# KiCad board PDNode-PDCard-4242.kicad_pcb
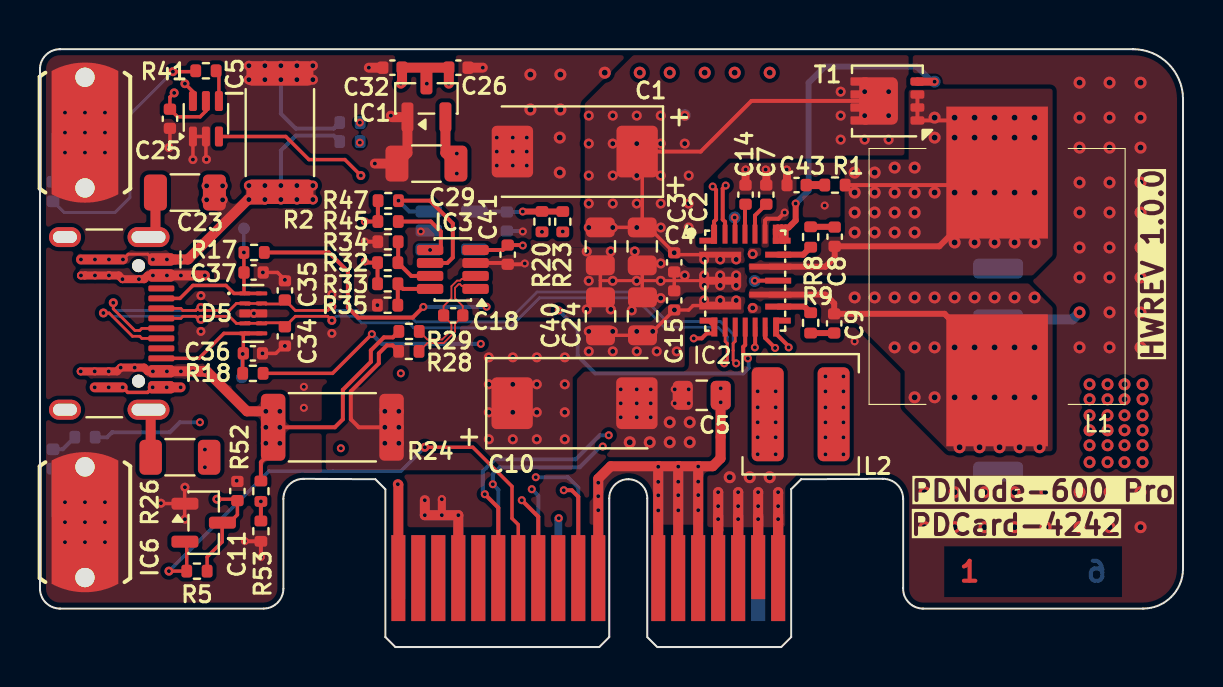
[diagram p0: board, top side]
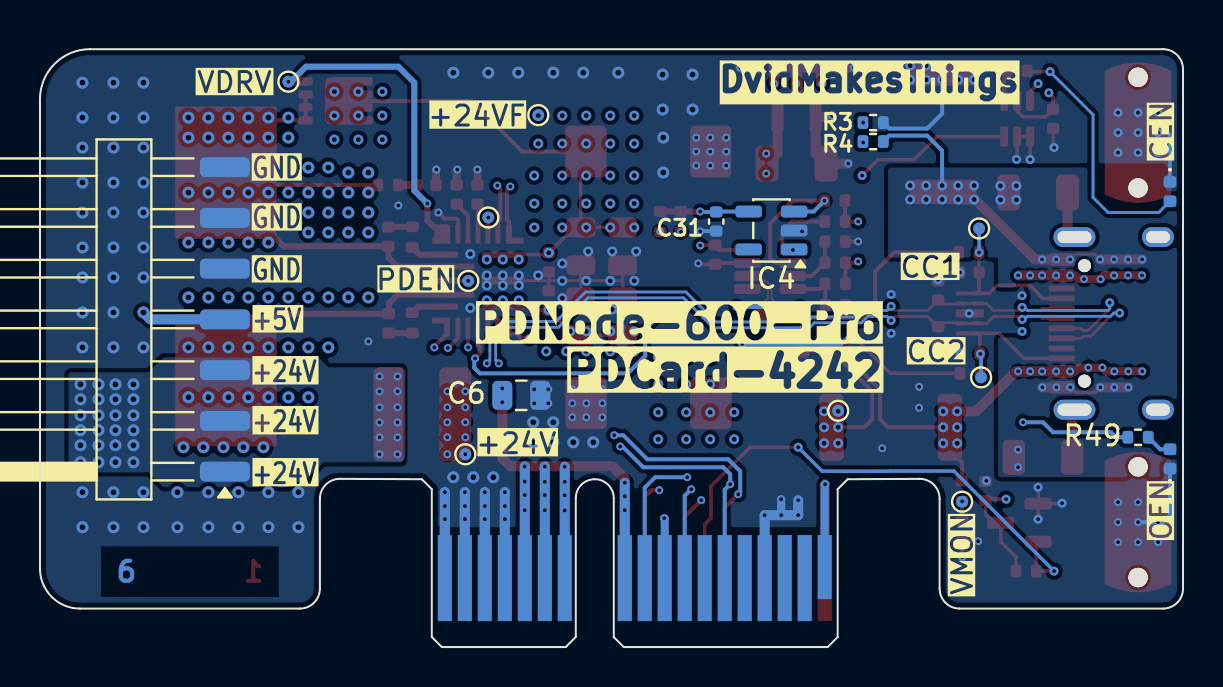
[diagram p1: board, bottom side, seen from below]

Outline 57.18 x 29.92 mm; copper layers: L1 (Sig, PWR), L2 (GND) (plane), L3 (Sig), L4(PWR) (plane), L5(GND) (plane), L6 (SIG). Coordinates in mm from the lower left corner of the outline.
Outline path: 0,28.92 arc(0.29,29.63) 1,29.92 54.68,29.92 arc(56.44,29.19) 57.18,27.42 57.18,3.92 arc(56.59,2.51) 55.18,1.92 44.18,1.92 arc(43.47,2.22) 43.18,2.92 43.18,7.42 arc(42.88,8.13) 42.17,8.42 38.07,8.4 37.57,7.9 37.57,0.5 37.07,0 30.88,0 30.38,0.5 30.38,7.45 arc(30.1,8.12) 29.43,8.4 arc(28.75,8.12) 28.48,7.45 28.48,0.5 27.98,0 17.78,0 17.28,0.5 17.28,7.9 16.78,8.4 13.18,8.42 arc(12.47,8.13) 12.18,7.42 12.18,2.92 arc(11.88,2.22) 11.18,1.92 1,1.92 arc(0.29,2.22) 0,2.92 0,28.92
Stack: L1 (Sig, PWR) 0.035mm / dielectric 0.0994mm 3313 RC57% 4.2mil er 4.1 / L2 (GND) 0.0152mm / dielectric 0.55mm 0.55mm H/Hwithout copper er 4.41 / L3 (Sig) 0.0152mm / dielectric 0.1088mm 2116 RC54% 4.9mil er 4.16 / L4(PWR) 0.0152mm / dielectric 0.55mm 0.55mm H/Hwithout copper er 4.41 / L5(GND) 0.0152mm / dielectric 0.0994mm 3313 RC57% 4.2mil er 4.1 / L6 (SIG) 0.035mm

## Placement (name value [footprint] x y rotation side)
C1  100uF 25V  [CP_EIA-7343-30_AVX-N]  26.75 24.8 180 top
C2  4.7uF 50V  [C_0805_2012Metric]  30.12 20.06 270 top
C3  4.7uF 50V  [C_0805_2012Metric]  28.03 20.06 270 top
C4  100nF 50V  [C_0402_1005Metric]  31.73 19.26 270 top
C5  4.7uF 50V  [C_0805_2012Metric]  33.1 12.6 180 top
C6  4.7uF 50V  [C_0805_2012Metric]  33.1 12.6 180 bottom
C7  2.2uF 25V  [C_0402_1005Metric]  36.33 22.64 90 top
C8  220nF 50V  [C_0402_1005Metric]  39.75 20.54 90 top
C9  220nF 50V  [C_0402_1005Metric]  39.73 16.2 270 top
C10  100uF 25V  [CP_EIA-7343-30_AVX-N]  26.74 12.2 0 top
C11  100nF 50V  [C_0402_1005Metric]  9.87 7.81 90 top
C14  470pF 50V  [C_0402_1005Metric]  35.29 22.64 90 top
C15  100nF 50V  [C_0402_1005Metric]  31.73 17.35 90 top
C18  100nF 50V  [C_0402_1005Metric]  20.67 16.6 180 top
C23  1nF 2kV  [C_1206_3216Metric]  7.25 22.75 180 top
C24  10uF 50V  [C_0805_2012Metric]  30.14 16.56 90 top
C25  100nF 50V  [C_0402_1005Metric]  6.5 26.44 270 top
C26  1uF 50V  [C_0402_1005Metric]  20.93 29 0 top
C29  10uF 50V  [C_1206_3216Metric]  19.33 24.2 180 top
C31  100nF 50V  [C_0402_1005Metric]  23.35 21.3 270 bottom
C32  100nF 50V  [C_0402_1005Metric]  17.63 29 180 top
C34  1nF 50V  [C_0402_1005Metric]  12.25 15.55 270 top
C35  1nF 50V  [C_0402_1005Metric]  12.25 17.85 90 top
C36  390pF 50V  [C_0402_1005Metric]  10.65 14.7 0 top
C37  390pF 50V  [C_0402_1005Metric]  10.69 18.75 0 top
C40  10uF 50V  [C_0805_2012Metric]  28.04 16.56 90 top
C41  100nF 50V  [C_0402_1005Metric]  23.4 19.64 270 top
C43  1nF 50V  [C_0402_1005Metric]  37.85 23.12 180 top
CC1  ~  [TestPoint_0.6mm]  10.2 20.95 180 bottom
CC2  ~  [TestPoint_0.6mm]  10.1 13.5 180 bottom
D1  Green  [LED_0402_1005Metric]  0.65 9.42 90 bottom
D2  Blue  [LED_0402_1005Metric]  0.65 22.8 270 bottom
D5  TPD4EUSB30DQAR  [USON10_2.5x1]  10.67 16.7 0 top
IC1  MCP1702T-3302E/CB  [SOT-23]  19.33 27.46 90 top
IC2  MPQ4242GVE-0001-AEC1-P  [QFN-22_4X5mm]  35.28 18.34 0 top
IC3  INA219BIDCNT  [SOT-23-8]  20.65 18.9 180 top
IC4  24AA02E-OT  [SOT-23-5]  20.59 20.85 0 bottom
IC5  SN74LVC1G97QDCKRQ1  [SOT-363_SC-70-6]  8.3 26.44 90 top
IC6  STM809TWX6F  [SOT-23#2]  8.19 6.23 0 top
J1  USB-TYPE-C-018  [USB_C_Receptacle_HCTL_HC-TYPE-C-16P-01A]  2.32 16.2 270 top
J2  PCIE EDGE CONNECTOR  [BUS_PCIexpress_x1]  17.93 3.45 0 top
J3  Conn_01x07_Pin  [Harwin_M20-89007xx_1x07_P2.54mm_Horizontal]  53.45 16.4 0 bottom
L1  4.7uH 13A  [7443551470]  47.77 17.73 270 top
L2  2.2uH 9.7A  [5.5x5.3mm_XAL5030-222MEC]  37.9 11.65 0 top
PDA1  ~  [TestPoint_0.6mm]  34.75 21.5 180 bottom
PDE1  ~  [TestPoint_0.6mm]  35.75 18.33 180 bottom
PDO1  ~  [TestPoint_0.6mm]  17.25 11.83 180 bottom
R1  1R 1%  [R_0402_1005Metric]  39.76 23.12 180 top
R2  0.010R 1%  [R_2512_6332Metric]  12 25.75 90 top
R3  1R 1%  [R_0402_1005Metric]  15.5 26.25 0 bottom
R4  1R 1%  [R_0402_1005Metric]  15.5 25.3 0 bottom
R5  10K 1%  [R_0402_1005Metric]  7.85 3.8 180 top
R8  0R 1%  [R_0402_1005Metric]  38.55 20.53 90 top
R9  0R 1%  [R_0402_1005Metric]  38.55 16.23 270 top
R17  2.2R 1%  [R_0402_1005Metric]  10.71 19.75 180 top
R18  2.2R 1%  [R_0402_1005Metric]  10.65 13.7 180 top
R20  100K 1%  [R_0402_1005Metric]  25.11 21.29 270 top
R23  100K 1%  [R_0402_1005Metric]  26.15 21.29 270 top
R24  0.005R 1% 2W  [R_2512_6332Metric]  14.62 11 180 top
R26  1M 1%  [R_1206_3216Metric]  7 9.5 180 top
R28  1R 1%  [R_0402_1005Metric]  18.45 14.8 0 top
R29  1R 1%  [R_0402_1005Metric]  18.46 15.8 0 top
R32  10K 1%  [R_0402_1005Metric]  17.4 19.24 0 top  (not fitted)
R33  10K 1%  [R_0402_1005Metric]  17.39 18.18 0 top  (not fitted)
R34  10K 1%  [R_0402_1005Metric]  17.41 20.29 180 top
R35  10K 1%  [R_0402_1005Metric]  17.39 17.11 180 top
R41  1K 1%  [R_0402_1005Metric]  8.3 28.84 180 top
R45  2.4K 1%  [R_0402_1005Metric]  17.41 21.3 0 top  (not fitted)
R47  2.4K 1%  [R_0402_1005Metric]  17.42 22.34 0 top  (not fitted)
R49  1K 1%  [R_0402_1005Metric]  2.25 10.5 0 bottom
R52  90.9K 1%  [R_0402_1005Metric]  11.05 7.8 270 top
R53  10K 1%  [R_0402_1005Metric]  11.05 5.8 270 top
REF**  -  [LayerMarker_6_8.89x2.54mm_TextH1mm_P1.27mm_BottomMirrored]  46.5 2.5 0 top
ST1  M3  [WP-SMRA_7466313]  2.25 25.75 90 top
ST2  M3  [WP-SMRA_7466313]  2.25 6.25 90 top
T1  DMN4008LFG-7  [Diodes_PowerDI3333-8]  42.39 27.33 180 top
TP1  ~  [TestPoint_0.6mm]  11.05 7.28 180 bottom
V24  ~  [TestPoint_0.6mm]  35.9 9.65 180 bottom
VDRV1  ~  [TestPoint_0.6mm]  44.75 28.3 180 bottom
VF24  ~  [TestPoint_0.6mm]  32.25 26.62 180 bottom

## Library data of the parts
C1 C10 = -: Datasheet: https://jlcpcb.com/api/file/downloadByFileSystemAccessId/8590224151765426176; Description: -55°C~+105°C 100uF 25V 40mΩ@100kHz ±20% CASE-D-7343-3 Tantalum Capacitors ROHS; LCSC_PART: C215892; ROHS: YES; MPN: T55D107M025C0060; MFR: Vishay; DIST1: https://www.digikey.at/en/products/detail/kemet/t521d107m025ate040/5844154
C2 C3 C5 C6 = -: Datasheet: https://jlcpcb.com/api/file/downloadByFileSystemAccessId/8586178946207789056; Description: 4.7uF 50V X5R ±10% 0805 Multilayer Ceramic Capacitors MLCC - SMD/SMT ROHS; FOOTPRINT_SHORT: 0805; ROHS: YES; LCSC_PART: C98192; MFR: Samsung Electro-Mechanics; MPN: CL21A475KBQNNNE
C4 C11 C15 C18 C25 C31 C32 C41 = -: Description: 50V 100nF X7R ±10% 0402 Multilayer Ceramic Capacitors MLCC - SMD/SMT ROHS; FOOTPRINT_SHORT: 0402; ROHS: YES; LCSC_PART: C307331
C7 = -: Description: 25V 2.2uF X5R ±10% 0402 Multilayer Ceramic Capacitors MLCC - SMD/SMT ROHS; FOOTPRINT_SHORT: 0402; ROHS: YES; LCSC_PART: C385032
C8 C9 = -: Description: 50V 220nF X5R ±10% 0402 Multilayer Ceramic Capacitors MLCC - SMD/SMT ROHS; FOOTPRINT_SHORT: 0402; ROHS: YES; LCSC_PART: C5159775
C14 = -: Datasheet: https://jlcpcb.com/api/file/downloadByFileSystemAccessId/8588898671136018432; Description: 470pF 50V X7R ±10% 0402 Multilayer Ceramic Capacitors MLCC - SMD/SMT ROHS; FOOTPRINT_SHORT: 0402; ROHS: YES; LCSC_PART: C106207; MFR: YAGEO; MPN: CC0402KRX7R9BB471
C23 = -: Description: Chip Capacitor (MLCC) 1206 1nF ±10% 2KV X7R; FOOTPRINT_SHORT: 1206; ROHS: YES; LCSC_PART: C173242; MFR: Johanson Dielectrics
C24 C40 = -: Description: 50V 10uF X5R ±10% 0805 Multilayer Ceramic Capacitors MLCC - SMD/SMT ROHS; FOOTPRINT_SHORT: 0805; ROHS: YES; LCSC_PART: C440198
C26 = -: Description: 50V 1uF X5R ±10% 0402 Multilayer Ceramic Capacitors MLCC - SMD/SMT ROHS; FOOTPRINT_SHORT: 0402; ROHS: YES; LCSC_PART: C1518208
C29 = -: Datasheet: https://jlcpcb.com/api/file/downloadByFileSystemAccessId/8579707359440130048; Description: 50V 10uF X5R ±10% 1206 Multilayer Ceramic Capacitors MLCC - SMD/SMT ROHS; FOOTPRINT_SHORT: 1206; ROHS: YES; LCSC_PART: C13585; MFR: Samsung Electro-Mechanics; MPN: CL31A106KBHNNNE
C34 C35 C43 = -: Description: 50V 1nF X7R ±10% 0402 Multilayer Ceramic Capacitors MLCC - SMD/SMT ROHS; FOOTPRINT_SHORT: 0402; ROHS: YES; LCSC_PART: C14442
C36 C37 = -: Datasheet: https://jlcpcb.com/api/file/downloadByFileSystemAccessId/8590919194240503808; Description: 390pF 50V C0G ±5% 0402 Multilayer Ceramic Capacitors MLCC - SMD/SMT ROHS; FOOTPRINT_SHORT: 0402; ROHS: YES; LCSC_PART: C20069334; MFR: HRE; MPN: CGA0402C0G391J500GT
D1 = -: Datasheet: https://jlcpcb.com/api/file/downloadByFileSystemAccessId/8588919245081731072; Description: -40℃~+85℃ 120° 249mcd 25mA 3V 516nm~531nm 531nm 80mW Emerald Green Top-mount Water Clear 0402 LED Indication - Discrete ROHS; MPN: XL-1005UGC; MFR: XINGLIGHT; LCSC_PART: C965793; ROHS: YES; Size: 0402
D2 = -: Datasheet: https://jlcpcb.com/api/file/downloadByFileSystemAccessId/8590921452453912577; Description: -40℃~+85℃ 120° 20mA 240mcd 3.3V 455nm~475nm 465nm 70mW Blue Discrete Diode Top-mount Water Clear 0402 LED Indication - Discrete ROHS; MPN: XL-1005UBC; MFR: XINGLIGHT; LCSC_PART: C22355736; ROHS: YES; Size: 0402
D5 = -: Datasheet: https://www.ti.com/lit/ds/symlink/tpd4eusb30.pdf; Description: 8V Clamp 1A (8/20µs) Ipp Tv; MFR: Texas Instruments; ROHS: YES; LCSC_PART: C5199222
IC1 = -: Datasheet: https://ww1.microchip.com/downloads/en/DeviceDoc/22008E.pdf; Description: Linear Voltage Regulator IC Positive Fixed 1 Output 250mA SOT-23A-3; ROHS: YES; LCSC_PART: C33844; LCSC_PRICE: EUR 0.48; MFR: Microchip Technology; DIST1: https://www.digikey.de/en/products/detail/microchip-technology/mcp1702t-3302e-cb/1098471; PPU1: EUR 0.55 DIGI; DIST2: https://de.farnell.com/microchip/mcp1702t-3302e-cb/v-reg-ldo-250ma-smd-sot23-3/dp/1331490; PPU2: EUR 0.587 Farnell
IC2 = -: Datasheet: https://www.monolithicpower.com/en/documentview/productdocument/index/version/2/document_type/Datasheet/lang/en/sku/MPQ4242GVE-AEC1/document_id/11470/; Description: USB, Type-C Controller PMIC 20-QFN (4x4); MFR: Monolithic Power Systems Inc.; LCSC_PART: C37449370; DIST1: https://www.digikey.at/en/products/detail/monolithic-power-systems-inc/mpq4242gve-0001-aec1-p/24374512; ROHS: YES; ki_fp_filters: TO*252*
IC3 = -: Datasheet: https://www.ti.com/lit/ds/symlink/ina219.pdf; Description: Current Monitor Regulator High-Side 10mA SOT-23-8; MFR: Texas Instruments; ROHS: YES; LCSC_PART: C2653868; DIST1: https://www.digikey.de/en/products/detail/texas-instruments/ina190a1idckr/10434706; ki_fp_filters: *SC?70*
IC4 = -: Datasheet: https://ww1.microchip.com/downloads/aemDocuments/documents/MPD/ProductDocuments/DataSheets/2-Kbit-I2C-Serial-EEPROMs-+EUI-48-or-EUI-64-Node-20002124.pdf; Description: I2C Serial EEPROM with EUI-48 or EUI-64, 2Kb, SOT-23-5; ki_fp_filters: SOT?23*
IC5 = -: Datasheet: https://www.ti.com/general/docs/suppproductinfo.tsp?distId=10&gotoUrl=https%3A%2F%2Fwww.ti.com%2Flit%2Fgpn%2Fsn74lvc1g97-q1; Description: Configurable Multiple Function Configurable 1 Circuit 3 Input SC-70-6; MFR: Texas Instruments; LCSC_PART: C179911; DIST1: https://www.digikey.de/en/products/detail/texas-instruments/sn74lvc1g97qdckrq1/716453; ROHS: YES; ki_fp_filters: TO*252*
IC6 = -: Datasheet: https://www.st.com/content/ccc/resource/technical/document/datasheet/cd/e2/ab/27/7d/5d/44/41/CD00003591.pdf/files/CD00003591.pdf/jcr:content/translations/en.CD00003591.pdf; MFR: STMicroelectronics; ROHS: YES; LCSC_PART: C118271; LCSC_PRICE: EUR 0.2423; DIST1: DigiKey: https://www.digikey.at/en/products/detail/stmicroelectronics/stm809twx6f/666746; PPU1: EUR 0.34 DIGI; DMTUID: DMT-03016001002; Manufacturer: STMicroelectronics; ki_fp_filters: DMTDB:SOT-23
J1 = -: Datasheet: https://jlcpcb.com/api/file/downloadByFileSystemAccessId/8589041631273738240; Description: -25°C~+85°C 1 10,000 cycles 16P 3A 5V 7.35mm Female Surface Mount, Right Angle Type-C SMD USB Connectors ROHS; LCSC_PART: C2927038; MFR: DEALON; ROHS: YES
J2 = -: ROHS: YES
J3 = -: Description: Generic connector, single row, 01x07, script generated; ki_fp_filters: Connector*:*_1x??_*
L1 = -: Datasheet: https://www.we-online.com/components/products/datasheet/7443551470.pdf; Description: 4.7 µH Shielded Wirewound Inductor 13 A 7mOhm Nonstandard; LCSC_PART: C1331156; ROHS: YES; MPN: 7443551470; MFR: Würth Elektronik; DIST1: https://www.digikey.com/en/products/detail/w%C3%BCrth-elektronik/7443551470/1638533
L2 = -: Datasheet: https://www.coilcraft.com/getmedia/49bc46c8-4b2c-45b9-9b6c-2eaa235ea698/xal50xx.pdf; Description: 2.2 µH Shielded Molded Inductor 9.7 A 14.5mOhm Max Nonstandard; LCSC_PART: C920280; ROHS: YES; MPN: XAL5030-222MEC; MFR: Coilcraft; DIST1: https://www.digikey.com/en/products/detail/coilcraft/XAL5030-222MEC/21381340?s=N4IgTCBcDaIBoEEAyBWADAZgARoLRgIFkBREAXQF8g
R1 R3 R4 R28 R29 = -: Datasheet: https://jlcpcb.com/api/file/downloadByFileSystemAccessId/8588903265874956288; Description: Chip Resistors 0402 1Ω ±1% 1/16W ±200ppm/℃; LCSC_PART: C185446; ROHS: YES; FOOTPRINT_SHORT: 0402; MFR: RALEC; MPN: RC0402FR-071RL
R2 = -: Description: -55℃~+155℃ 10mΩ 1W 200V Thick Film Resistor ±1% ±1500ppm/℃ 2512 Chip Resistor - Surface Mount ROHS; LCSC_PART: C127692; ROHS: YES; FOOTPRINT_SHORT: 2512; MFR: UNI-ROYAL
R5 R32-R35 R53 = -: Description: 62.5mW Thick Film Resistors 50V ±100ppm/℃ ±1% 10kΩ 0402 Chip Resistor - Surface Mount ROHS; LCSC_PART: C25744; ROHS: YES; FOOTPRINT_SHORT: 0402; MFR: ROHM
R8 R9 = -: Description: 62.5mW Thick Film Resistors 50V ±800ppm/℃ ±1% 0Ω 0402 Chip Resistor - Surface Mount ROHS; LCSC_PART: C17168; ROHS: YES; FOOTPRINT_SHORT: 0402; MFR: YAGEO
R17 R18 = -: Datasheet: https://jlcpcb.com/api/file/downloadByFileSystemAccessId/8590208205541711872; Description: -55℃~+155℃ 2.2Ω 50V 62.5mW Thick Film Resistor ±1% ±200ppm/℃ 0402 Chip Resistor - Surface Mount ROHS; LCSC_PART: C2909330; ROHS: YES; FOOTPRINT_SHORT: 0402; MFR: UNI-ROYAL
R20 R23 = -: Description: 62.5mW Thick Film Resistors 50V ±100ppm/℃ ±1% 100kΩ 0402 Chip Resistor - Surface Mount ROHS; LCSC_PART: C25741; ROHS: YES; FOOTPRINT_SHORT: 0402; MFR: FH
R24 = -: Datasheet: https://jlcpcb.com/api/file/downloadByFileSystemAccessId/8588898866486267904; Description: -55°C~+170°C 2W 5mΩ ±1% ±25ppm/°C 2512 Chip Resistor - Surface Mount ROHS; LCSC_PART: C108931; ROHS: YES; FOOTPRINT_SHORT: 2512; MFR: RALEC; MPN: LR2512-22R005F4
R26 = -: Description: 250mW Thick Film Resistors 200V ±100ppm/℃ ±1% 1MΩ 1206 Chip Resistor - Surface Mount ROHS; LCSC_PART: C17927; ROHS: YES; FOOTPRINT_SHORT: 1206; MFR: Uniohm
R41 R49 = -: Description: 62.5mW Thick Film Resistors 50V ±100ppm/℃ ±1% 1kΩ 0402 Chip Resistor - Surface Mount ROHS; LCSC_PART: C11702; ROHS: YES; FOOTPRINT_SHORT: 0402; MFR: FH
R45 R47 = -: Description: 62.5mW Thick Film Resistors 50V ±100ppm/℃ ±1% 2.4kΩ 0402 Chip Resistor - Surface Mount ROHS; LCSC_PART: C25882; ROHS: YES; FOOTPRINT_SHORT: 0402; MFR: LIZ
R52 = -: Datasheet: https://jlcpcb.com/api/file/downloadByFileSystemAccessId/8588907086897537024; Description: 90.9kΩ Thick Film Resistor ±1% ±100ppm/°C 0402 Chip Resistor - Surface Mount ROHS; LCSC_PART: C163452; ROHS: YES; FOOTPRINT_SHORT: 0402; MFR: YAGEO; MPN: RC0402FR-0790K9L
ST1 ST2 = -: Datasheet: https://www.we-online.com/components/products/datasheet/7466313R.pdf; Description: 2 Pin Screw Terminal, Power Tap M3 Surface Mount, Right Angle; LCSC_PART: C6467859; MFR: Würth Elektronik; MPN: 7466313R; ROHS: YES; DIST1: https://www.digikey.at/en/products/detail/w%C3%BCrth-elektronik/7466313R/6643993
T1 = -: Datasheet: https://www.diodes.com/assets/Datasheets/DMN4008LFG.pdf; Description: N-Channel 40 V 14.4A (Ta) 1W (Ta) Surface Mount POWERDI3333-8; LCSC_PART: C6601822; ROHS: YES; MFR: Diodes Incorporated; DIST1: https://www.digikey.at/en/products/detail/diodes-incorporated/DMN4008LFG-7/4948450

## Footprints (pads in the part's own frame, mm; a bottom-side part is the same pattern mirrored in y, then rotated)
5.5x5.3mm_XAL5030-222MEC
  rrect 1.6x4.7 smd: 1(-1.5,0) 2(1.8,0)
7443551470
  rect 6.609x5.08 smd: 1(-6.025,0.1) 2(4.375,0.1)
BUS_PCIexpress_x1
  rect 0.7x3.2 smd far side: A1(0,0.55)
  rect 0.7x4.3 smd far side: A2(1,0) A3(2,0) A4(3,0) A5(4,0) A6(5,0) A7(6,0) A8(7,0) A9(8,0) A10(9,0) A11(10,0) A12(13,0) A13(14,0) A14(15,0) A15(16,0) A16(17,0) A17(18,0) A18(19,0)
  rect 0.7x4.3 smd: B1(0,0) B2(1,0) B3(2,0) B4(3,0) B5(4,0) B6(5,0) B7(6,0) B8(7,0) B9(8,0) B10(9,0) B11(10,0) B12(13,0) B13(14,0) B14(15,0) B15(16,0) B16(17,0) B18(19,0)
  rect 0.7x3.2 smd: B17(18,0.55)
C_0402_1005Metric
  rrect 0.56x0.62 smd: 1(-0.48,0) 2(0.48,0)
C_0805_2012Metric
  rrect 1x1.45 smd: 1(-0.95,0) 2(0.95,0)
C_1206_3216Metric
  rrect 1.15x1.8 smd: 1(-1.475,0) 2(1.475,0)
CP_EIA-7343-30_AVX-N
  rrect 2.07x2.59 smd: 1(-3.12,0) 2(3.12,0)
Diodes_PowerDI3333-8
  rrect 0.6x1 smd: (0.02,0.565) (0.02,-0.565) (0.73,0.565) (0.73,-0.565)
  rrect 0.7x0.42 smd: 1(-1.5,0.975) 2(-1.5,0.325) 3(-1.5,-0.325) 4(-1.5,-0.975)
  rrect 1.938x2.373 smd: 5(0.444,-0.001)
  rrect 0.875x0.42 smd: 5(1.413,-0.978) 6(1.413,-0.325) 7(1.416,0.325) 8(1.413,0.975)
Harwin_M20-89007xx_1x07_P2.54mm_Horizontal
  rrect 2.5x1 smd: 1(-5.525,7.62) 2(-5.525,5.08) 3(-5.525,2.54) 4(-5.525,0) 5(-5.525,-2.54) 6(-5.525,-5.08) 7(-5.525,-7.62)
LED_0402_1005Metric
  rrect 0.59x0.64 smd: 1(-0.485,0) 2(0.485,0)
QFN-22_4X5mm
  rect 2.1x0.3 smd: 1(-1.25,1.3) 12(1.25,-0.7) 14(1.25,0.7)
  rect 2.1x0.4 smd: 2(-1.25,0) 3(-1.25,-1.25)
  rect 0.887x0.3 smd: 4(-1.837,-2) 16(1.827,2)
  rect 0.3x0.95 smd: 4(-1.544,-2.325) 10(1.547,-2.325) 16(1.534,2.326) 22(-1.557,2.326)
  rect 0.25x0.95 smd: 5(-1.002,-2.325) 6(-0.5,-2.325) 7(0,-2.325) 8(0.497,-2.325) 9(0.998,-2.325) 17(0.993,2.326) 18(0.49,2.326) 19(-0.01,2.326) 20(-0.507,2.326) 21(-1.008,2.326)
  rect 0.863x0.3 smd: 10(1.85,-2) 22(-1.86,2)
  rect 1.3x0.3 smd: 11(1.65,-1.3) 13(1.65,0) 15(1.65,1.3)
R_0402_1005Metric
  rrect 0.54x0.64 smd: 1(-0.51,0) 2(0.51,0)
R_1206_3216Metric
  rrect 1.125x1.75 smd: 1(-1.462,0) 2(1.462,0)
R_2512_6332Metric
  rrect 1.225x3.35 smd: 1(-2.962,0) 2(2.962,0)
SOT-23
  rrect 1.475x0.6 smd: 1(-0.938,0.95) 2(-0.938,-0.95) 3(0.938,0)
SOT-23#2
  rrect 1.35x0.6 smd: 1(-0.938,0.95) 2(-0.938,-0.95) 3(0.938,0)
SOT-23-5
  rrect 1.325x0.6 smd: 1(-1.137,0.95) 2(-1.137,0) 3(-1.137,-0.95) 4(1.137,-0.95) 5(1.137,0.95)
SOT-23-8
  rrect 1.325x0.5 smd: 1(-1.137,0.975) 2(-1.137,0.325) 3(-1.137,-0.325) 4(-1.137,-0.975) 5(1.137,-0.975) 6(1.137,-0.325) 7(1.137,0.325) 8(1.137,0.975)
SOT-363_SC-70-6
  rrect 1x0.4 smd: 1(-0.887,0.65) 2(-0.887,0) 3(-0.887,-0.65) 4(0.887,-0.65) 5(0.887,0) 6(0.887,0.65)
TestPoint_0.6mm
  round 0.6 smd: 1(0,0)
USB_C_Receptacle_HCTL_HC-TYPE-C-16P-01A
  round 0.65 hole 0.65 unplated: (-2.89,2.605) (2.89,2.605)
  rrect 0.6x1.3 smd: A1(-3.2,3.745) A4(-2.4,3.745) A9(2.4,3.745) A12(3.2,3.745) B1(3.2,3.745) B4(2.4,3.745) B9(-2.4,3.745) B12(-3.2,3.745)
  rrect 0.3x1.3 smd: A5(-1.25,3.745) A6(-0.25,3.745) A7(0.25,3.745) A8(1.25,3.745) B5(1.75,3.745) B6(0.75,3.745) B7(-0.75,3.745) B8(-1.75,3.745)
  oval 1x2.1 hole 0.6x1.7: S1(-4.32,3.105) S1(4.32,3.105)
  oval 1x1.6 hole 0.6x1.2: S1(-4.32,-1.075) S1(4.32,-1.075)
USON10_2.5x1
  rrect 0.565x0.2 smd: 1(-0.417,1) 1(0.417,1) 2(-0.417,0.5) 2(0.417,0.5) 4(-0.417,-0.5) 4(0.417,-0.5) 5(-0.417,-1) 5(0.417,-1)
  rrect 0.565x0.4 smd: 3(-0.417,0) 3(0.417,0)
WP-SMRA_7466313
  round 0.97 hole 0.97 unplated: (-2.77,0) (2.77,0)
  custom 7.012x3.34 smd: 1(0,0)

## Nets
+3.3V: C11.1 C25.1 C29.1 C31.1 C41.1 IC1.2 IC3.4 IC4.4 IC5.5 IC6.3 R5.1 R20.1 R23.1 R32.1 R33.1 R45.1 R47.1
+5V: C26.1 C32.1 IC1.3 IC2.8 J2.A1 J2.A9 J2.B1 J3.4
+24V: C5.1 C6.1 J2.A11 J2.A12 J2.A13 J2.A14 J2.B11 J2.B12 J2.B13 J2.B14 L2.1 V24.1
+24V_FILTERED: C1.1 C2.1 C3.1 C4.1 IC2.1 J3.1 J3.2 J3.3 L2.2 T1.5 T1.6 T1.7 T1.8 VF24.1
/Project Architecture/Board Connector and Supplies/VBUS_VMON_PORT0: J2.B10 R52.2 R53.1 TP1.1
/Project Architecture/USB-PD Source Controller/VBUS: J1.A4 J1.A9 J1.B4 J1.B9 R24.2 R29.1 R52.1
/Project Architecture/USB-PD Source Controller/VBUS_MEA_N: C18.2 IC3.2 R29.2
/Project Architecture/USB-PD Source Controller/VBUS_MEA_P: C18.1 IC3.1 R28.2
GND: C1.2 C2.2 C3.2 C4.2 C5.2 C6.2 C7.2 C10.2 C11.2 C14.2 C15.2 C24.2 C25.2 C26.2 C29.2 C31.2 C32.2 C34.2 C35.2 C36.2 C37.2 C40.2 C41.2 C43.2 D1.1 D2.1 D5.3 IC1.1 IC2.2 IC2.17 IC3.3 IC4.2 IC5.1 IC5.2 IC6.1 J2.A4 J2.A15 J2.A16 J2.A17 J2.A18 J2.B4 J2.B15 J2.B16 J2.B17 J2.B18 J3.5 J3.6 J3.7 R2.2 R3.1 R34.2 R35.2 R53.2 ST1.1 ST2.1
GND_USB: C23.1 J1.A1 J1.A12 J1.B1 J1.B12 R2.1 R4.1 R26.1
/Project Architecture/Board Connector and Supplies/PD_IRQ: J2.A5
/Project Architecture/Board Connector and Supplies/PD_RESET: J2.B5
/Project Architecture/Board Connector and Supplies/PMIC_EN: J2.A7
/Project Architecture/Board Connector and Supplies/PMIC_VMON_PORT0: J2.B9
/Project Architecture/Board Connector and Supplies/PORT_EN: IC5.6 J2.B8 R49.2
/Project Architecture/Board Connector and Supplies/SPI_CLK: J2.A3
/Project Architecture/Board Connector and Supplies/SPI_CS: J2.B3
/Project Architecture/Board Connector and Supplies/SPI_MISO: J2.B2
/Project Architecture/Board Connector and Supplies/SPI_MOSI: J2.A2
/Project Architecture/USB-PD Source Controller/CC1: C37.1 CC1.1 D5.1 J1.A5 R17.2
/Project Architecture/USB-PD Source Controller/CC2: C36.1 CC2.1 D5.5 J1.B5 R18.2
/Project Architecture/USB-PD Source Controller/I2C_SCL: IC2.10 IC3.5 IC4.1 J2.A6 R45.2
/Project Architecture/USB-PD Source Controller/I2C_SDA: IC2.9 IC3.6 IC4.3 J2.B6 R47.2
/Project Architecture/USB-PD Source Controller/ISEN+: IC2.22 R4.2
/Project Architecture/USB-PD Source Controller/ISEN-: IC2.21 R3.2
/Project Architecture/USB-PD Source Controller/PD_ATTACH: IC2.20 J2.A10 PDA1.1 R23.2
/Project Architecture/USB-PD Source Controller/PD_CC1: IC2.7 R17.1
/Project Architecture/USB-PD Source Controller/PD_CC2: IC2.4 R18.1
/Project Architecture/USB-PD Source Controller/PD_ENABLE: IC2.13 IC5.3 J2.A8 PDE1.1 R20.2
/Project Architecture/USB-PD Source Controller/PD_OUT: C10.1 C15.1 C24.1 C40.1 IC2.3 PDO1.1 R24.1 R28.1
/Project Architecture/USB-PD Source Controller/SW1: C8.1 IC2.14 L1.1 R1.1 T1.1 T1.2 T1.3
/Project Architecture/USB-PD Source Controller/SW2: C9.1 IC2.12 L1.2
/Project Architecture/USB-PD Source Controller/USB_D+: C34.1 D5.4 IC2.5 J1.A6 J1.B6
/Project Architecture/USB-PD Source Controller/USB_D-: C35.1 D5.2 IC2.6 J1.A7 J1.B7
/Project Architecture/USB-PD Source Controller/VDRV: IC2.16 T1.4 VDRV1.1
PGOOD_3V3: IC6.2 J2.B7 R5.2
SHIELD: C23.2 J1.S1 R26.2
Net-(C8-Pad2): C8.2 R8.2
Net-(C9-Pad2): C9.2 R9.2
Net-(C43-Pad1): C43.1 R1.2
Net-(D1-Pad2): D1.2 R49.1
Net-(D2-Pad2): D2.2 R41.2
Net-(IC2-BST1): IC2.15 R8.1
Net-(IC2-BST2): IC2.11 R9.1
Net-(IC2-ICOMP): C14.1 IC2.19
Net-(IC2-VCC): C7.1 IC2.18
Net-(IC3-A0): IC3.7 R32.2 R34.1
Net-(IC3-A1): IC3.8 R33.2 R35.1
Net-(IC5-Y): IC5.4 R41.1

Pads without a net: IC4 5; J1 A8 B8

## Via types
v1: diameter 0.5, hole 0.25, L1 (Sig, PWR) to L6 (SIG), 124 vias
v2: diameter 0.6, hole 0.3, L1 (Sig, PWR) to L6 (SIG), 157 vias
v3: diameter 0.4, hole 0.2, L1 (Sig, PWR) to L6 (SIG), 188 vias
v4: diameter 0.45, hole 0.2, L1 (Sig, PWR) to L6 (SIG), 40 vias
